# Allegro board STARRYSKY.brd (continued)
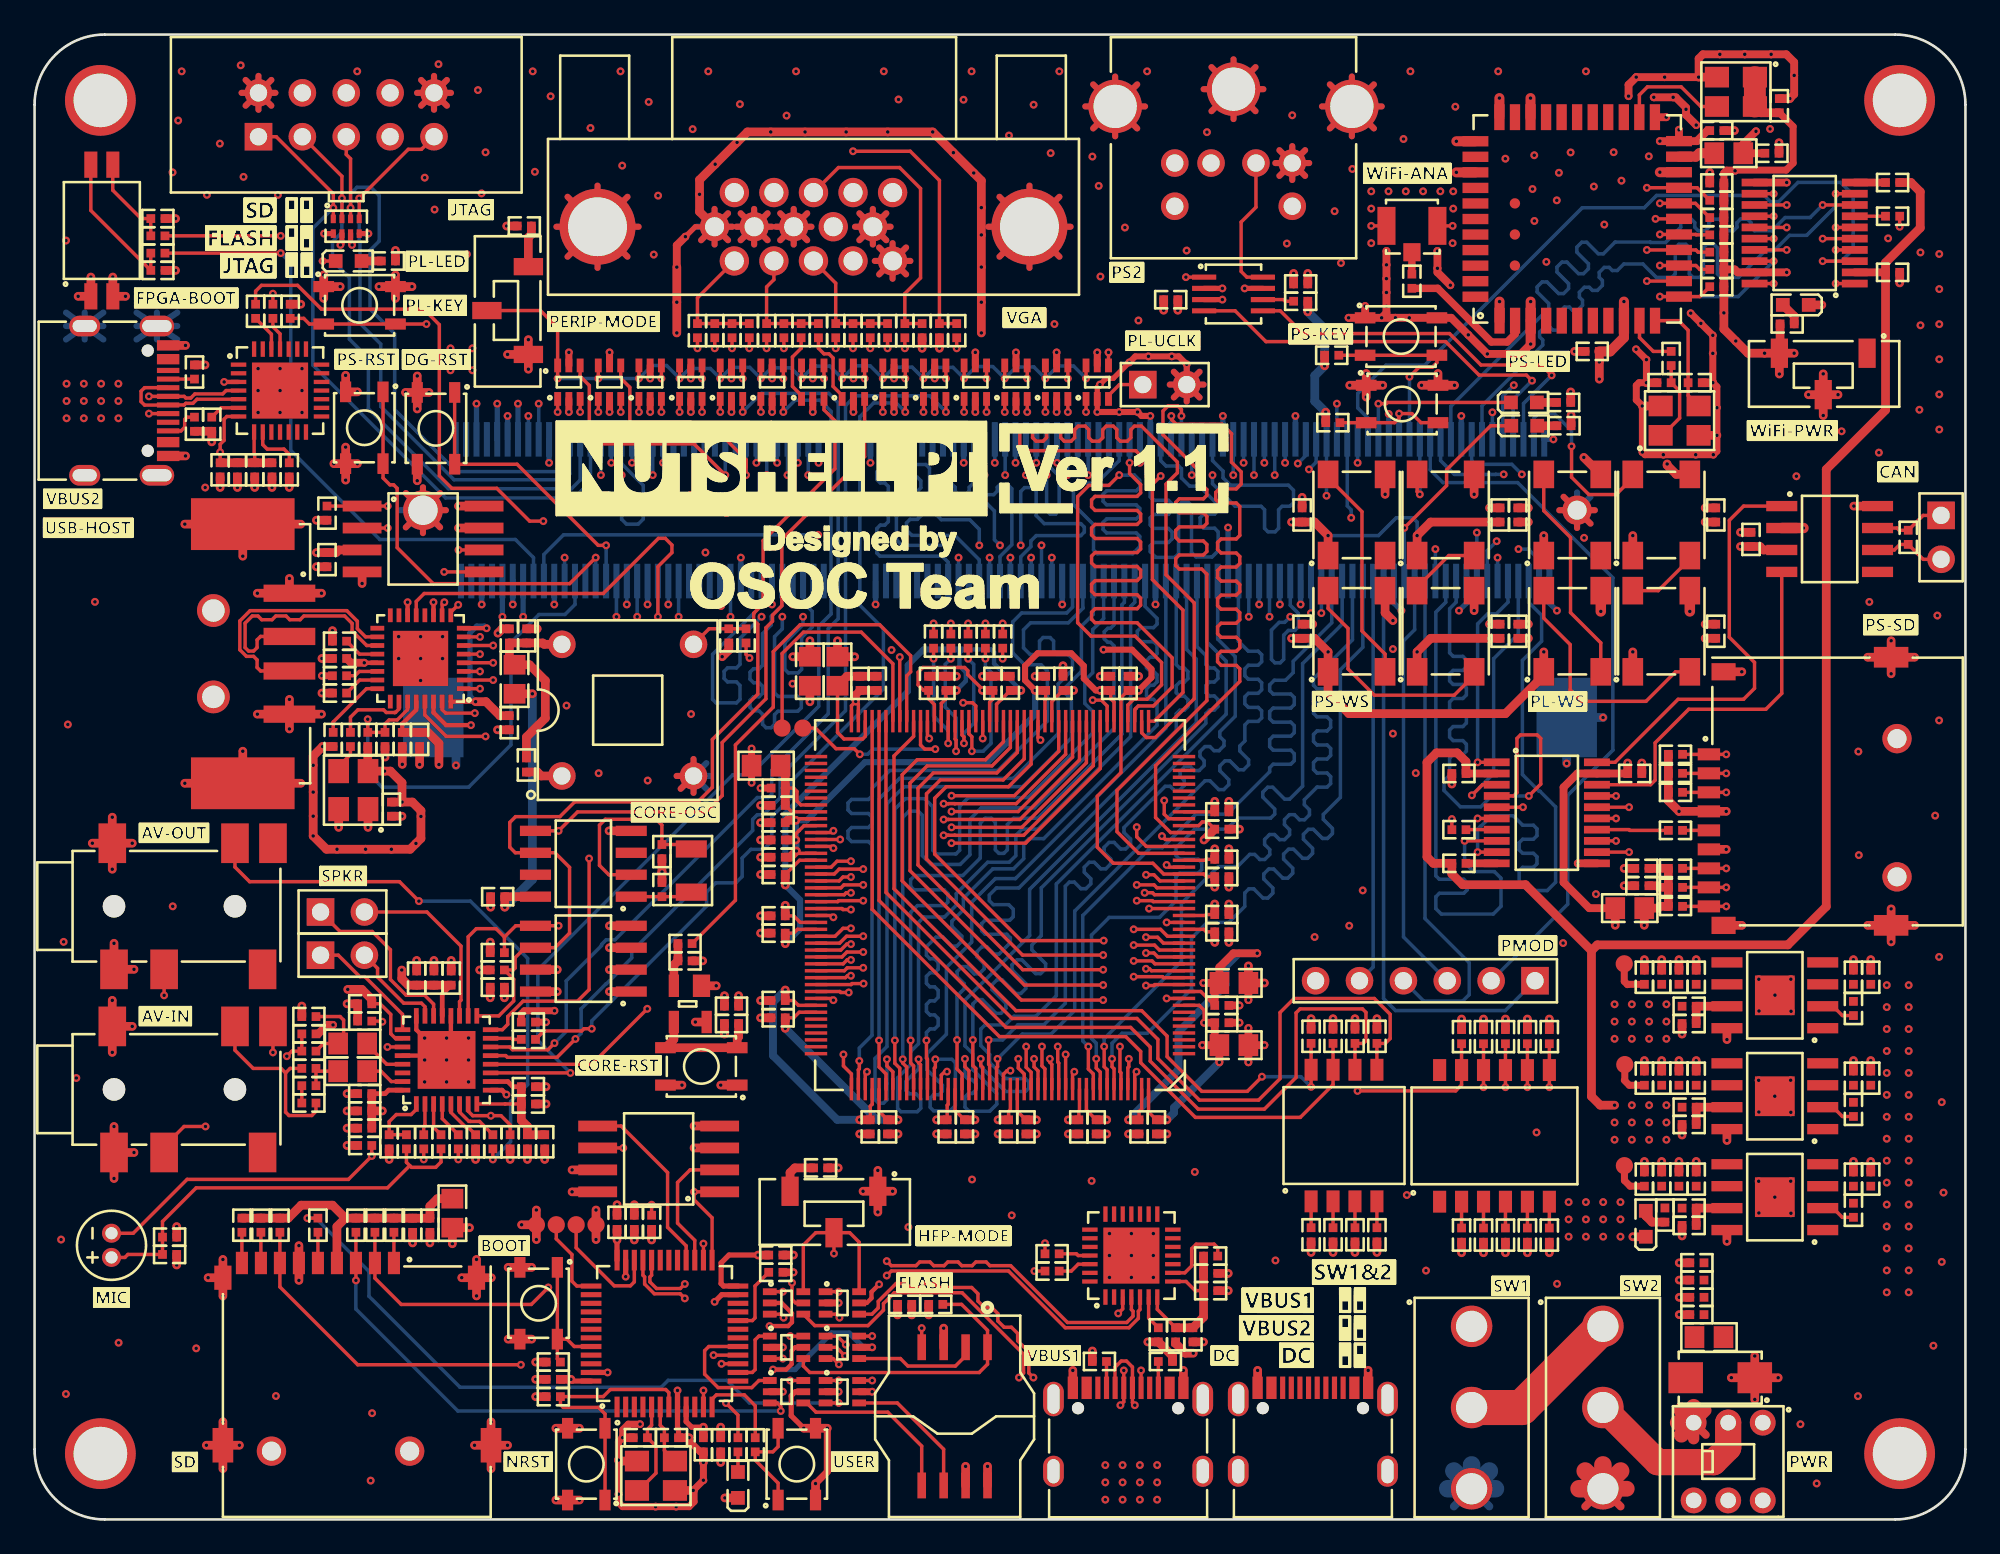
[diagram p0: board, top side]
## Nets (continued)
N431628: C85.1 C86.1 R76.2 R77.2 R84.1 U17.7(REGIN) U17.8(VBUS)
N431648: R84.2 U17.9(R\S\T\)
N431656: R78.1 U17.25(RXD)
N431784: R80.1 U17.26(TXD)
N431936: C88.1 U17.6(VDD)
N433168: C81.1 C82.1 J6.4(VDD) L8.1 R61.1 R62.1 R63.1 R67.1 R69.1 R71.1
N433298: J6.5(CLK) R66.2
N435237: R72.2 U16.10(OE)
N436006: R75.2 U16.7(A6)
N437148: R87.2 U18.24(RBIAS)
N438146: C93.1 U18.20(VDD33)
N441316: R83.1 U18.23(ID)
N441707: R82.1 U18.22(VBUS)
N443308: R81.2 U18.26(REFCLK)
N443312: R81.1 X2.3(OUT)
N449849: C115.1 J14.14 R107.1
N449853: C116.1 J14.13 R110.1
N498562: J1.A5(CC1) R3.2
N498570: J1.B5(CC2) R5.1
N507684: R55.2 SW10.1 SW10.2
N507712: C74.1 U13.6(PD1-OSC_OUT) X1.3(OUT2)
N507720: C72.1 U13.5(PD0-OSC_IN) X1.1(OUT1)
N507990: LED2.1 R58.1
N508938: R58.2 U13.11(PA1)
N520743: R41.2 SW7.3
N533515: J7.2 R65.1 U15.6(CANL)
N533519: J7.1 R65.2 U15.7(CANH)
N535194: R91.2 U19.10(OE)
N535292: R96.2 U19.7(A6)
N539544: C97.2 U20.2(WL_BT_ANT)
N540075: C97.1 J11.1
N541878: C98.1 R99.1 X4.1(OUT1)
N541882: C101.1 U20.11(XTAL_OUT) X4.3(OUT2)
N555405: L9.1 U20.21(VIN_LDO_OUT)
N555409: C107.1 L9.2 U20.23(VIN_LDO)
N555842: U20.24(LPO) X3.3(OUT)
N559792: LED3.1 R85.2
N560183: LED4.1 R86.2
N568477: LED6.2(DOUT) LED7.4(DIN)
N568969: LED8.4(DIN) LED9.2(DOUT)
N569394: LED7.2(DOUT) LED9.4(DIN)
N575792: C113.1 U23.2(OSCO) X5.2(OUT2)
N575796: C111.1 U23.1(OSCI) X5.1(OUT1)
N596135: C132.2 C133.2 C134.2 R127.2 U29.21(SPKVDD2) U29.26(SPKVDD1)
N600861: J17.1 U29.25(SPK_LP)
N600865: J17.2 U29.23(SPK_LN)
N602553: C129.1 U29.3(LINPUT2)
N602557: C130.1 U29.4(LINPUT1)
N602617: C131.1 U29.6(RINPUT2)
N602621: C135.1 U29.5(RINPUT1)
N602759: C123.2 U29.27(VMID)
N603164: C124.2 R124.1 U29.1(MICBIAS)
N603722: C125.2 C129.2 MIC1.1(OUT) R122.2 R124.2
N604056: C130.2 MIC1.2(GND) R125.1
N605478: C137.1 U29.31(HP_L)
N605508: C138.1 U29.29(HP_R)
N605721: C140.2 J18.4 R132.2
N605770: C138.2 R132.1 R133.1
N605987: C139.1 R129.2
N605991: C139.2 J18.5 R130.2
N607551: C137.2 R129.1 R130.1
N608509: C136.1 U29.2(LINPUT3/JD2)
N608513: C136.2 J16.4
N608822: C131.2 J16.5
N609651: R120.2 SW18.3
N615277: R4.2 U1.2(EN)
N624567: R9.2 R10.1 U2.7(ADJ)
N624767: R11.2 U2.2(EN)
N629111: R12.2 R14.1 U4.7(ADJ)
N629261: R13.2 U4.2(EN)
N634293: D1.2 F1.1 SW3.3
N645689: SW2.2 SW3.2
N707098: R99.2 U20.10(XTAL_IN)
N717871: LED11.4(DIN) LED12.2(DOUT)
N717951: LED13.4(DIN) LED14.2(DOUT)
N717983: LED11.2(DOUT) LED14.4(DIN)
N718003: LED10.1 R101.2
N758097: LED5.1 R90.1
N774966: R100.2 U22.6(OE)
N1063390: R15.2 SW4.1(A1)
N1063391: R19.2 SW4.2(A2)
N1063394: R20.2 SW4.3(A3)
N1063395: R22.2 SW4.4(A4)
N1064041: R31.2 SW5.2(A2)
N1064044: R32.2 SW5.3(A3)
N1064045: R35.2 SW5.4(A4)
N6456160: SW1.2 SW2.1
N50833219: R59.1 U13.20(PB2)

Pads without a net: H1 1; H2 1; H3 1; H4 1; J1 5 6 A8 B8; J3 5 6 A5 A6 A7 A8 B5 B6 B7 B8; J4 14 15; J6 14 15; J8 5 6 A8 B8; J9 6 7 8; J10 7 8; J12 6; J13 2 6; J14 4 9 11 12 15; J16 6 7 8 9; J18 6 8 9; J20 7 8 26 43 45 46 47 48 49 50 51 52 70 72 75 76 77 78 79 80 81 82 83 84 85 86 87 89 119; LED8 2; LED13 2; SW3 1 4 5 6; SW5 1 12; SW16 1; U1 1 4 5; U2 1 4 5; U3 1 2 3 4 5 6 7 37 38 39 40 41 42 43 44 89 90 91 92 93 94 95 127 128 129 130 131 132; U4 1 4 5; U8 1 2 10 11 12 13 14 15 16 17 18 19 20 21 22 23 24 27 28; U13 1 2 3 4 10 13 18 19 21 22 29 30 31 38 39 40 41 42 43 45 46; U15 5; U17 1 2 10 11 12 13 14 15 16 17 18 19 20 21 22 23 24 27 28; U18 12 15 16 17 25; U20 4 5 6 7 8 25 26 27 28 29 30 32 35 37 38 39 40 41 42 43 44 45 46 47; U23 3 7; U29 30

## Via types
v1: diameter 0.457, hole 0.203, TOP to BOTTOM, 1348 vias

## Routing (per net, layer and track width the routed paths; a pad name or vN(x,y) marks a point on that pad's centre or on a via; arc(x,y) is an arc through that point)
5V_DC: length 9.9
  TOP w0.457: 89.75,0.75 SW2.3 91.8,0.75
  TOP w0.914: SW2.3 92.16,1.78
  TOP w1.016: SW2.3 91.8,2.8 ; SW2.3 89.4,1.78 ; SW2.3 89.75,2.8 ; SW2.3 90.78,3.16
5V_IN: length 105.1
  TOP w0.305: U22.7 v1(70.04,71.26)
  TOP w0.406: R82.2 v1(16.63,48.84)
  TOP w0.508: v1(72.76,51) C104.1 74.09,51 v1(74.87,50.22) LED9.1 74.87,47.85 76.07,46.65 85.14,46.65 87.35,48.86 LED14.1 v1(87.35,50.22) ; v1(72.76,57.73) C105.1 74.09,57.73 v1(74.87,56.95) LED8.1 ; C103.1 v1(84.21,57.73) 80.81,57.73 v1(80.02,56.95) LED6.1 ; C102.1 v1(84.21,51) 80.81,51 v1(80.02,50.22) LED7.1 ; R77.1 v1(10.74,59.74) ; R43.1 v1(69.09,13.24) ; LED13.1 v1(87.35,56.95) ; J10.1 v1(16.61,53.61) ; J10.1 v1(12.9,53.61) ; J10.1 v1(14.75,54.47) ; C118.1 v1(86.46,51) ; R76.1 v1(11.74,59.74) ; C120.1 v1(86.46,57.73) ; LED11.1 v1(92.51,50.22) ; v1(98.74,56.32) C80.2 99.86,56.32 100.06,56.12 U15.3 ; C117.1 v1(96.7,51) ; LED12.1 v1(92.51,56.95) ; C119.1 v1(96.7,57.73) ; C110.1 v1(72.87,72.13) ; R42.1 v1(69.09,14.24) ; R127.1 v1(24.12,32.36)
  ART03 w0.457: v1(84.21,51) 82.57,51 80.02,53.55 v1(80.02,56.95) 80.02,58.35 79.58,58.79 79.58,65.03 72.87,71.74 v1(72.87,72.13) 70.91,72.13 v1(70.04,71.26) 69.58,70.8 69.58,70.21 69.12,69.76 67.41,69.76 64.49,72.68 64.49,77.01 J13.4
  BOTTOM w0.203: v1(80.02,56.95) 80.02,57.73 79.77,57.98 78.82,57.98 77.79,56.95 v1(74.87,56.95)
  vias: v1(9.88,59.73) v1(24.08,67.79) v1(24.08,66.52) v1(25.35,67.79) v1(25.35,66.52) v1(107.21,30.93) v1(107.21,29.66) v1(107.21,28.39) v1(107.21,27.12) v1(107.21,25.85) v1(107.21,24.58) v1(107.21,23.31) v1(107.21,22.04) v1(107.21,20.77) v1(107.21,19.5) v1(107.21,18.23) v1(107.21,16.96) v1(107.21,15.69) v1(107.21,14.42) v1(107.21,13.15) v1(108.48,30.93) v1(108.48,29.66) v1(108.48,28.39) v1(108.48,27.12) v1(108.48,25.85) v1(108.48,24.58) v1(108.48,23.31) v1(108.48,22.04) v1(108.48,20.77) v1(108.48,19.5) v1(108.48,18.23) v1(108.48,16.96) v1(108.48,15.69) v1(108.48,14.42) v1(108.48,13.15)
5V_VBUS1: length 11.3
  PWR04 w1.016: SW1.1 83.18,9.8 ; SW1.1 82.15,12.2 ; SW1.1 84.2,10.15 ; SW1.1 83.18,12.56 ; SW1.1 82.15,10.15 ; SW1.1 84.2,12.2 ; SW1.1 84.55,11.18 ; SW1.1 81.8,11.18
  vias: v1(61.98,3.15) v1(61.98,2.15) v1(61.98,1.15) v1(62.98,3.15) v1(62.98,2.15) v1(62.98,1.15) v1(63.98,3.15) v1(63.98,2.15) v1(63.98,1.15) v1(64.98,3.15) v1(64.98,2.15) v1(64.98,1.15)
5V_VBUS2: length 9.9
  BOTTOM w0.457: 84.2,0.75 SW1.3 82.15,0.75
  BOTTOM w1.016: SW1.3 81.8,1.78 ; SW1.3 84.55,1.78 ; SW1.3 82.15,2.8 ; SW1.3 83.18,3.16 ; SW1.3 84.2,2.8
  vias: v1(1.85,65.74) v1(1.85,64.74) v1(1.85,63.74) v1(2.85,65.74) v1(2.85,64.74) v1(2.85,63.74) v1(3.85,65.74) v1(3.85,64.74) v1(3.85,63.74) v1(4.85,65.74) v1(4.85,64.74) v1(4.85,63.74)
AGND: length 33.8
  TOP w0.254: U29.24 22.1,28.35 v1(22.58,27.87) ; v1(22.58,26.6) 22.33,26.85 U29.28 ; v1(23.85,27.87) 24.1,28.12 U29.20
  TOP w0.406: R131.2 28.18,29.27 28.35,29.45 v1(30.09,29.45)
  TOP w0.457: v1(17.28,28.63) 16.93,28.63 16.42,28.11 C140.1
  TOP w0.508: J18.2 v1(4.6,22.75) ; J18.2 v1(4.6,19.74) ; J18.2 v1(5.76,21.24) ; R133.2 v1(15.47,29.72) ; C128.2 v1(29.61,25.05) ; C135.2 v1(25.53,20.84) ; J18.3 v1(5.66,28.54) ; J18.3 v1(4.5,30.05) ; J18.3 v1(4.5,27.04) ; J16.3 v1(5.66,39.14) ; J16.3 v1(4.5,37.64) ; J16.3 v1(4.5,40.65) ; J16.3 v1(3.34,39.14) ; C122.2 v1(18.09,23.65) ; C123.1 C133.1 v1(18.09,29.85) ; C121.2 v1(18.09,24.65) ; R122.1 v1(8.23,14.73) ; v1(5.76,31.84) J16.2 v1(4.6,33.35) ; C124.1 v1(20.52,20.84) ; C127.2 v1(28.53,20.84) ; R125.2 v1(18.09,21.65) ; C126.2 v1(29.61,24.05) ; C125.1 v1(8.23,16.95) ; C134.1 v1(22.12,32.36) ; C132.1 v1(23.12,32.36)
  vias: v1(22.58,25.33) v1(23.85,26.6) v1(23.85,25.33) v1(25.12,27.87) v1(25.12,26.6) v1(25.12,25.33)
AVCC_3V3: length 13.6
  TOP w0.279: U29.32 20.49,24.85 20.29,24.65 C121.1
  TOP w0.508: C122.1 v1(20.13,23.65) ; C122.1 C121.1 ; C122.1 R121.1 ; R128.2 v1(27.53,20.84)
  PWR04 w0.203: v1(20.13,23.65) 24.72,23.65 v1(27.53,20.84)
GND: length 1582.1
  TOP w0.203: U3.112 46.13,34.96 v1(46.24,34.86) ; U3.102 46.13,38.96 v1(46.24,38.86) ; v1(63.78,25.92) 63.68,25.81 U3.174 ; J5.4 v1(51.35,11.07) ; U3.69 v1(54.88,45.2) ; v1(46.24,30.06) 46.13,30.16 U3.124 ; v1(60.18,25.92) 60.08,25.81 U3.165 ; U3.9 v1(65.52,30.16) ; v1(46.91,9.47) 46.59,9.79 46.59,9.79 46.42,9.96 U12.2 ; U3.155 56.08,25.77 56.28,25.98 56.47,25.98 56.48,25.98 v1(56.48,25.98) ; v1(46.24,39.86) 46.13,39.76 U3.100 ; v1(48.18,25.92) 48.08,25.81 U3.135 ; U8.3 62.98,12.19 v1(62.72,11.93) ; U3.51 62.08,47.09 61.74,47.43 v1(61.25,47.43) ; U3.35 65.65,40.56 65.38,40.83 v1(65.38,41.62) ; U3.146 52.48,25.72 52.68,25.92 v1(52.81,25.92) ; U3.28 65.65,37.76 v1(65.52,37.89) ; v1(51.78,45.2) 51.68,45.31 U3.77 ; U3.61 58.08,45.26 v1(58.22,45.11) ; J11.2 v1(77.37,74.88) ; J11.3 v1(82.08,74.88) ; U3.101 v1(46.63,39.36) ; U3.20 v1(65.52,34.56)
  TOP w0.254: v1(42.54,11.19) 43.62,11.19 43.84,11.42 43.84,11.93 43.24,12.53 U7.2 ; U17.3 v1(10.97,65.85)
  TOP w0.279: v1(27.31,24.59) 27.06,24.85 U29.9
  TOP w0.305: v1(39.36,12.6) 39.78,13.01 U13.23 ; C74.2 37.27,5.22 37.21,5.28 U13.8 v1(37.21,7.47) ; U13.47 v1(33.17,8.51) ; v1(61.51,64.1) U38.2 61.51,65.54 v1(61.66,65.69) 62.02,66.05 62.44,66.05 v1(63.36,66.98) ; v1(37.67,74.25) 38.25,74.83 J14.6 ; U13.35 v1(34.21,14.05) ; U22.2 v1(68.75,71.26)
  TOP w0.356: 72.8,77.54 J13.3 ; J13.3 73.77,78.52 ; J13.3 72.05,77.77 ; J13.3 73.54,77.77 ; J13.3 72.05,79.26 ; J13.3 71.82,78.52 ; J13.3 73.54,79.26 ; J13.3 72.8,79.49 ; 21.49,59.41 J20.MP3 ; J20.MP3 23.81,58.42 ; J20.MP3 23.47,59.41 ; J20.MP3 22.48,57.09 ; J20.MP3 21.49,57.43 ; J20.MP3 23.47,57.43 ; J20.MP3 22.48,59.75 ; J9.10 24.1,82.58 ; J9.10 22.38,83.32 ; J9.10 23.86,83.32 ; J9.10 22.14,82.58 ; J9.10 23.86,81.84 ; J9.10 22.38,81.84 ; J9.10 23.12,81.6 ; J9.10 23.12,83.56 ; J14.10 49.3,75.61 ; J14.10 47.74,75.61 ; J14.10 47.74,74.05 ; J14.10 49.3,74.05 ; J14.10 49.55,74.83 ; J14.10 48.52,73.8 ; J14.10 47.49,74.83 ; J14.10 48.52,75.86 ; 57.59,72.45 J14.16 ; J14.16 59.32,76.56 ; J14.16 57.59,77.21 ; J14.16 55.85,76.56 ; J14.16 55.85,73.1 ; J14.16 59.32,73.1 ; J14.16 59.96,74.83 ; J14.16 55.21,74.83 ; J15.2 v1(66.69,66.87) 66.23,67.32 v1(65.82,67.32) v1(64.47,67.32) 63.71,67.32 v1(63.36,66.98) ; J15.2 65.94,64.95 ; J15.2 67.43,64.95 ; J15.2 65.71,65.69 ; J15.2 67.66,65.69 ; J15.2 65.94,66.43 ; J15.2 67.43,66.43 ; J15.2 66.69,64.71 ; J14.8 44.72,74.05 ; J14.8 42.91,74.83 ; J14.8 44.97,74.83 ; J14.8 43.94,75.86 ; J14.8 43.16,74.05 ; J14.8 43.94,73.8 ; J14.8 44.72,75.61 ; J14.8 43.16,75.61 ; J13.9 63.82,80.52 ; J13.9 61.27,83.07 ; J13.9 62.55,80.07 ; J13.9 64.27,81.79 ; J13.9 61.27,80.52 ; J13.9 62.55,83.52 ; J13.9 60.82,81.79 ; J13.9 63.82,83.07 ; J14.7 42.43,74.05 ; J14.7 40.62,74.83 ; J14.7 42.43,75.61 ; J14.7 40.87,74.05 ; J14.7 42.68,74.83 ; J14.7 40.87,75.61 ; J14.7 41.65,73.8 ; J14.7 41.65,75.86 ; 30.21,74.83 J14.17 ; J14.17 30.85,73.1 ; J14.17 34.96,74.83 ; J14.17 34.32,76.56 ; J14.17 34.32,73.1 ; J14.17 32.58,77.21 ; J14.17 32.58,72.45 ; J14.17 30.85,76.56 ; J13.8 77.97,81.79 ; J13.8 76.25,83.52 ; J13.8 77.52,83.07 ; J13.8 76.25,80.07 ; J13.8 74.97,83.07 ; J13.8 74.52,81.79 ; J13.8 74.97,80.52 ; J13.8 77.52,80.52 ; 37.4,42.29 J2.4 ; J2.4 38.14,44.02 ; J2.4 37.16,43.04 ; J2.4 38.14,42.06 ; 49.66,71.82 J14.5 ; J14.5 50.69,72.85 ; J14.5 48.64,72.85 ; J14.5 50.44,72.07 ; J14.5 48.89,73.63 ; J14.5 50.44,73.63 ; J14.5 48.89,72.07 ; J14.5 49.66,73.88 ; 39.36,73.8 J14.6 ; J14.6 40.39,74.83 ; J14.6 40.14,74.05 ; J14.6 40.14,75.61 ; J14.6 39.36,75.86 ; J14.6 38.58,74.05 ; J9.2 12.96,83.56 ; J9.2 12.96,81.6 ; J9.2 13.7,83.32 ; J9.2 12.22,81.84 ; J9.2 11.98,82.58 ; J9.2 13.94,82.58 ; J9.2 12.22,83.32 ; J9.2 13.7,81.84 ; J20.MP4 90.06,57.64 ; J20.MP4 88.25,58.42 ; J20.MP4 89.28,57.39 ; J20.MP4 90.31,58.42 ; J20.MP4 88.5,59.2 ; 69.4,81.06 J13.7 ; J13.7 67.67,82.79 ; J13.7 71.12,82.79 ; J13.7 70.67,81.52 ; J13.7 70.67,84.07 ; J13.7 68.12,81.52 ; J13.7 69.4,84.52 ; J13.7 68.12,84.07 ; v1(61.51,64.1) v1(62.78,64.1) v1(63.84,64.1) 64.07,63.88 v1(64.58,63.88)
  TOP w0.406: U26.2 v1(52.1,64.1) ; U25.2 v1(49.75,64.1) ; U36.2 v1(35.63,64.1) ; v1(37.88,4.73) 37.88,4.55 38.53,3.91 C76.2 ; U27.2 v1(54.45,64.1) ; U11.2 v1(43.31,7.39) ; U6.2 v1(46.54,12.53) ; U10.2 v1(46.54,7.39) ; U32.2 v1(45.04,64.1) ; U39.2 v1(59.16,64.1) ; U9.2 v1(43.31,9.96) ; U30.2 v1(40.34,64.1) ; U37.2 v1(37.98,64.1) ; U33.2 v1(47.39,64.1) ; v1(35.05,5.52) 34.37,5.52 34.04,5.19 v1(34.04,4.73) 33.79,4.48 v1(33.79,3.43) v1(33.79,1.46) 33.79,0.99 34.04,0.74 v1(35.95,0.74) v1(37.14,0.74) 37.89,0.74 38.17,1.03 38.17,1.63 v1(38.12,1.68) v1(38.71,2.27) v1(38.71,3.3) ; U34.2 v1(30.93,64.1) ; v1(92.69,67.74) v1(93.3,67.13) v1(93.3,65.8) 92.87,65.8 92.71,65.64 92.71,64.81 v1(93.06,64.45) v1(93.06,61.78) 93.21,61.63 v1(94.28,61.63) v1(96.15,61.63) v1(97.17,61.63) 97.37,61.84 v1(97.37,62.75) v1(97.37,64.35) 97.37,65.57 v1(97.14,65.8) v1(97.14,67.5) v1(97.14,68.54) v1(96.45,69.23) v1(95.86,69.82) ; U31.2 v1(42.69,64.1) ; U35.2 v1(33.28,64.1) ; U28.2 v1(56.8,64.1) ; v1(29.61,28.79) R131.1 ; C61.2 v1(42.02,42.33)
  TOP w0.457: v1(86.59,68.04) 86.02,67.47 v1(84.09,67.47) v1(82.98,68.57) 82,69.56 SW15.2 v1(79.57,69.56) v1(78.77,69.56) v1(77.97,69.56) ; U19.11 v1(101.41,77.39) ; v1(78.25,73.42) v1(78.25,72.62) v1(78.25,71.82) v1(78.25,71.02) v1(78.25,70.22) 78.25,69.84 v1(77.97,69.56) ; v1(77.97,69.56) SW15.1 ; v1(96.18,80.71) 95.59,81.31 v1(95.59,81.63) 95.59,81.73 94.99,82.32 v1(94.84,82.32) v1(93.72,82.32) ; SW15.1 v1(77.01,70.24) ; SW15.1 v1(76.06,69.56) ; C34.2 v1(69.74,28.75) ; v1(37.17,72.49) 37.17,73.76 v1(37.67,74.25) ; v1(81.2,73.42) v1(81.2,72.42) 81.2,72.19 v1(81.94,71.44) ; v1(92.26,82.39) 92.26,83.04 v1(92.71,83.49) v1(94.35,83.49) v1(96.32,83.49) 96.32,84.56 96.57,84.81 v1(97.54,84.81) v1(98.99,84.81) v1(100.51,84.81) 101.39,84.81 101.85,84.35 v1(101.85,83.59) 101.85,82.49 v1(101.6,82.25) ; R59.2 v1(43.92,14.3) ; U16.11 v1(89.32,37.98) ; C58.2 v1(69.74,29.75)
  TOP w0.508: R87.1 v1(16.67,44.74) 16.13,44.19 v1(16.13,43.65) v1(16.13,42.1) v1(16.13,40.71) v1(16.13,39.56) 16.9,38.79 v1(17.51,38.79) v1(19.16,38.79) v1(20.65,38.79) 21.74,38.79 v1(22.08,39.13) 22.36,39.42 v1(22.36,40.69) 22.36,41.03 21.87,41.53 v1(21.27,41.53) ; C13.2 v1(106.28,26.56) ; R74.2 C88.2 v1(10.26,62.38) ; J10.5 v1(8.7,57.61) ; J10.5 v1(12.05,55.76) ; J10.5 v1(15.41,57.61) ; C85.2 v1(12.74,59.74) ; J6.13 v1(107.46,48.95) ; J6.13 v1(108.82,49.91) ; J6.13 v1(106.1,49.91) ; J6.13 v1(107.46,50.86) ; C30.2 v1(62.06,22.31) ; LED13.3 v1(89.67,61.48) ; U21.7 v1(30.26,31.83) ; R21.2 v1(76.43,28.99) ; U21.3 v1(33.28,33.1) ; C10.2 v1(93.18,26.56) ; C78.2 v1(34.71,18.22) ; J10.4 v1(12.9,46.61) ; J10.4 v1(16.61,46.61) ; J10.4 v1(14.75,45.76) ; J10.4 v1(14.75,47.47) ; C41.2 v1(55.77,22.31) ; C2.2 v1(94.18,20.72) ; C87.1 19.28,43.33 X2.2 v1(20.26,43.32) 20.6,43.32 21.27,42.65 v1(21.27,41.53) ; C54.2 v1(42.02,37.33) ; v1(64.43,10.28) C67.2 65.86,9.46 R5.2 ; C15.2 v1(105.28,26.56) ; C50.2 v1(59.83,22.31) ; X4.2 v1(97.37,62.75) ; SW7.1 v1(48.81,17.79) ; SW7.1 v1(48.81,20.2) ; SW7.1 v1(47.95,19) ; SW7.1 v1(49.67,19) ; J4.13 v1(25.47,4.29) ; J4.13 v1(27.38,4.29) ; J4.13 v1(26.42,5.65) ; J4.13 v1(26.42,2.94) ; C91.2 v1(22.29,43.7) ; C98.2 v1(93.3,65.8) ; LED8.3 v1(78.17,59.34) ; SW11.3 v1(22.15,64.28) ; SW11.3 v1(22.83,65.24) ; SW11.3 v1(21.47,65.24) ; SW11.3 v1(22.15,66.19) ; SW17.1 v1(16.74,72.04) ; SW17.1 v1(16.74,70.68) ; SW17.1 v1(17.69,71.36) ; C36.2 v1(69.13,33.4) ; C107.2 v1(100.97,79.69) ; C100.2 v1(101.6,82.25) ; C92.2 v1(26.8,45.71) ; C22.2 v1(95.2,11.86) ; C90.2 v1(21.29,43.71) ; C66.2 66.05,10.19 66.61,9.62 v1(67.07,9.62) ; C68.2 v1(21.88,16.01) ; C79.1 v1(43.92,15.31) ; X1.4 33.87,3.38 33.81,3.43 v1(33.79,3.43) ; C1.2 v1(93.18,20.72) ; SW17.2 v1(20.89,70.68) ; SW17.2 v1(19.93,71.36) ; SW17.2 v1(21.85,71.36) ; SW17.2 v1(20.89,72.04) ; LED12.3 95.02,60.49 94.49,61.02 v1(94.49,61.1) ; TP9.1 v1(28.19,17.06) ; TP9.1 v1(29.05,17.91) ; TP9.1 v1(29.05,16.2) ; C16.2 v1(94.18,32.41) ; U23.4 v1(33.25,39.86) ; J4.10 v1(10.9,12.94) ; J4.10 v1(10.9,15.05) ; J4.10 v1(10.05,13.99) ; C6.2 v1(106.28,20.72) ; J8.B1A12 v1(8.74,61.56) ; R83.2 v1(16.63,47.84) ; X1.2 v1(38.12,1.68) ; J1.A1B12 v1(60.1,8.62) ; v1(31.53,1.12) SW8.4 v1(30.17,1.12) ; R23.2 v1(77.7,28.99) ; v1(44.88,50.86) L5.2 v1(43.89,49.94) ; v1(5.26,70.8) SW12.2 v1(4.53,71.92) ; C86.2 v1(13.74,59.74) ; LED2.2 v1(39.96,1.25) ; C19.2 v1(105.28,32.41) ; U21.4 v1(33.28,34.37) ; v1(54.8,68.68) v1(54.8,70.46) v1(54.8,72.49) v1(54.8,74.35) v1(54.8,75.94) 54.8,77.5 v1(54.36,77.94) v1(53.18,79.12) v1(51.98,80.32) v1(49.38,80.32) v1(46.97,80.32) v1(44.6,80.32) v1(42.61,80.32) 41.26,80.32 v1(40.66,79.72) v1(39.39,78.45) 38.49,77.54 v1(38.49,76.7) 38.49,75.7 J14.6 ; C112.2 v1(26.4,35.44) ; v1(37.17,68.68) v1(37.17,70.46) v1(37.17,72.49) ; C47.2 v1(42.02,38.33) ; v1(21.27,41.53) C89.2 ; v1(15.3,15.85) J4.6 v1(15.3,13.84) ; U21.2 v1(33.28,31.83) ; C80.1 v1(98.74,57.14) ; C83.1 v1(82.03,42.57) ; X3.2 v1(96.32,83.49) ; C84.2 v1(93.03,43.79) ; LED5.2 v1(103.45,70.3) ; D1.1 v1(100.92,8.2) ; D1.1 v1(99.57,6.95) ; D1.1 v1(98.21,8.2) ; D1.1 v1(99.57,9.46) ; C109.1 v1(65.35,70) ; J4.12 v1(11.86,4.29) ; J4.12 v1(9.95,4.29) ; J4.12 v1(10.9,2.94) ; J4.12 v1(10.9,5.65) ; v1(78.62,52.03) 78.17,52.48 LED9.3 ; C96.2 v1(96.96,77.97) ; R36.2 v1(85.14,28.97) ; C28.2 v1(69.74,39.96) ; U4.8 v1(97.96,27.78) ; C118.2 v1(86.46,51.82) ; C75.1 v1(39.71,3.3) ; SW14.1 v1(77.08,64.97) ; SW14.1 v1(78.03,65.65) ; SW14.1 v1(77.08,66.33) ; SW14.1 v1(76.12,65.65) ; C20.2 v1(106.28,32.41) ; C65.2 v1(67.66,10.28) ; U2.8 v1(97.96,21.94) ; C82.2 v1(92.01,36.69) ; J6.12 v1(108.82,34.39) ; J6.12 v1(107.46,33.43) ; J6.12 v1(106.1,34.39) ; J6.12 v1(107.46,35.34) ; C24.2 v1(95.2,14.86) ; SW13.4 v1(17.32,61.12) ; SW13.4 v1(18,60.16) ; SW13.4 v1(18,62.07) ; SW13.4 v1(18.69,61.12) ; R14.2 v1(95.36,28.09) ; C39.2 v1(42.02,40.33) ; C120.2 v1(86.46,58.55) ; C49.2 v1(42.02,30.04) ; C108.2 v1(26.37,30.2) ; C51.2 v1(42.02,29.04) ; SW18.1 v1(27.38,67.44) ; SW18.1 v1(28.58,68.29) ; SW18.1 v1(28.58,66.58) ; R7.2 v1(95.36,16.41) ; v1(18,66.23) SW13.3 v1(18.69,65.27) ; J10.6 v1(12.05,44.47) ; J10.6 v1(15.41,42.61) ; J10.6 v1(8.7,42.61) ; R17.2 v1(75.16,28.99) ; C38.2 v1(40.75,30.32) ; LED6.3 v1(83.32,59.34) ; v1(54.86,48.81) C55.2 C26.2 ; C76.2 v1(38.71,3.3) ; R40.2 v1(87.68,28.97) ; v1(31.53,5.28) SW8.3 v1(30.17,5.28) ; C113.2 36.31,37.48 v1(36.32,37.48) C111.2 ; C104.2 v1(73.98,51.82) ; R54.2 v1(29.01,9.11) ; v1(26.82,51.3) 27.07,51.55 C8.2 ; C103.2 v1(84.21,58.55) ; J4.11 v1(26.44,13.99) ; J4.11 v1(25.58,15.05) ; J4.11 v1(24.73,13.99) ; J4.11 v1(25.58,12.94) ; J3.A1B12 v1(70.79,8.63) ; C95.1 v1(107.95,71.58) ; C25.2 v1(95.2,13.86) ; C56.2 v1(57.91,48.81) ; C35.2 v1(54.43,22.31) ; C46.2 v1(69.13,41.57) ; U21.1 v1(33.28,30.56) ; SW14.2 v1(82.19,65.65) ; SW14.2 v1(81.23,66.33) ; SW14.2 v1(80.28,65.65) ; C18.2 v1(96.18,32.41) ; J8.A1B12 v1(8.74,67.96) ; R3.1 v1(61.23,9.75) ; C114.2 v1(16.32,55.15) ; v1(2.52,70.8) SW12.1 v1(3.26,71.92) ; C119.2 v1(96.7,58.55) ; C44.2 v1(47.76,22.31) ; C27.2 v1(63.9,48.81) ; U24.4 v1(18.96,54.18) ; C74.2 v1(37.88,4.73) ; C14.2 v1(94.18,26.56) ; v1(53.36,48.81) C31.2 C59.2 ; R34.2 v1(83.87,28.97) ; R38.2 v1(86.41,28.97) ; C93.2 v1(17.24,51.45) ; C62.2 v1(42.02,41.33) ; v1(39.8,49.94) 40.18,50.32 C7.2 ; C115.2 v1(52.37,67.79) ; C42.2 v1(52.21,22.31) ; C73.1 v1(33.71,18.22) ; U1.8 v1(97.96,16.1) ; C101.2 v1(97.14,65.8) ; C17.2 v1(93.18,32.41) ; C69.2 v1(22.88,16.01) ; R33.2 v1(82.6,28.97) ; C99.2 v1(89.14,67.61) ; SW6.2 v1(37.47,25.14) ; C102.2 v1(84.21,51.82) ; C45.2 v1(69.13,38.82) ; C94.2 v1(16.63,49.84) ; C43.2 v1(42.02,39.33) ; C48.2 v1(63.32,22.31) ; C117.2 v1(96.7,51.82) ; J6.11 v1(98.82,49.07) ; C106.2 v1(98.39,80.39) ; C21.2 v1(95.18,32.41) ; U5.1 v1(39.46,30.89) ; C40.2 v1(69.13,35.63) ; C32.2 v1(42.02,33.94) ; C116.2 v1(51.37,67.79) ; C3.2 v1(96.18,20.72) ; C9.2 v1(29.09,51.55) ; C33.2 v1(49.98,22.31) ; J1.B1A12 v1(66.49,8.62) ; LED7.3 v1(83.32,52.61) ; C57.2 v1(61.68,48.81) ; C71.2 v1(29.01,7.11) ; J3.B1A12 v1(77.19,8.63) ; C60.2 v1(42.02,34.94) ; SW11.4 v1(22.15,60.13) ; C5.2 v1(105.28,20.72) ; C37.2 v1(59.52,49.42) ; C4.2 v1(95.18,20.72) ; C81.2 v1(92.01,37.69) ; C72.2 v1(34.04,4.73) ; J6.10 v1(98.82,34.39) ; C77.2 v1(50.77,11.84) ; R10.2 v1(95.36,22.25) ; J6.6 v1(97.92,38.79) ; LED1.2 v1(92.51,16.36) ; SW6.1 v1(39.72,25.14) ; R73.1 v1(9.87,66.83) ; C11.2 v1(96.18,26.56) ; C110.2 v1(73.69,72.13) ; U14.4 v1(38.17,22.77) ; X4.4 v1(93.06,64.45) ; C23.2 v1(95.2,12.86) ; C53.2 v1(69.13,36.6) ; C52.2 v1(57.99,22.31) ; C29.2 v1(65.54,22.31) ; C12.2 v1(95.18,26.56) ; C70.1 v1(29.01,8.11) ; C105.2 v1(73.37,59.17) ; U15.8 v1(105.3,58.66) ; R16.2 v1(73.89,28.99)
  TOP w0.584: U20.36 v1(82.29,77.98) ; U20.1 v1(84.79,70.5) ; v1(86.59,70.5) U20.3 v1(86.59,68.04) ; U20.33 v1(84.79,82.28) ; U20.34 v1(82.29,79.78) ; U20.31 v1(86.59,82.28) ; U20.20 v1(94.07,77.98)
  TOP w0.61: U15.2 v1(102.38,57.39) ; LED11.3 v1(95.81,52.56) ; LED14.3 v1(90.65,52.56)
  GND02 w0.356: 77.53,5.79 J3.2 ; J3.2 78.31,8.15 ; J3.2 78.31,5.79 ; J3.2 79.09,8.15 ; J3.2 77.53,6.97 ; J3.2 79.09,6.97 ; J3.2 77.53,8.15 ; J3.2 79.09,5.79 ; J15.2 66.69,66.67 ; J15.2 65.94,66.43 ; J15.2 67.43,64.95 ; J15.2 67.66,65.69 ; J15.2 66.69,64.71 ; J15.2 65.94,64.95 ; J15.2 67.43,66.43 ; J15.2 65.71,65.69 ; J1.4 68.39,3.87 ; J1.4 66.84,1.71 ; J1.4 66.84,2.79 ; J1.4 67.62,1.71 ; J1.4 68.39,2.79 ; J1.4 66.84,3.87 ; J1.4 68.39,1.71 ; J1.4 67.62,3.87 ; 68.89,1.71 J3.3 ; J3.3 68.89,2.79 ; J3.3 68.89,3.87 ; J3.3 70.45,1.71 ; J3.3 69.67,1.71 ; J3.3 70.45,3.87 ; J3.3 70.45,2.79 ; J3.3 69.67,3.87 ; J13.3 73.77,78.52 ; J13.3 71.82,78.52 ; J13.3 72.05,79.26 ; J13.3 72.05,77.77 ; J13.3 72.8,79.49 ; J13.3 73.54,79.26 ; J13.3 73.54,77.77 ; J13.3 72.8,77.54 ; J14.6 40.39,74.83 ; J14.6 40.14,75.61 ; J14.6 38.33,74.83 ; J14.6 39.36,75.86 ; J14.6 38.58,74.05 ; J14.6 39.36,73.8 ; J14.6 40.14,74.05 ; J14.6 38.58,75.61 ; J3.1 70.45,5.79 ; J3.1 69.67,8.15 ; J3.1 68.89,8.15 ; J3.1 69.67,5.79 ; J3.1 70.45,6.97 ; J3.1 70.45,8.15 ; J3.1 68.89,6.97 ; J3.1 68.89,5.79 ; J13.7 69.4,84.52 ; J13.7 70.67,84.07 ; J13.7 67.67,82.79 ; J13.7 68.12,84.07 ; J13.7 69.4,81.06 ; J13.7 70.67,81.52 ; J13.7 68.12,81.52 ; J13.7 71.12,82.79 ; J13.8 76.25,83.52 ; J13.8 77.52,83.07 ; J13.8 74.97,83.07 ; J13.8 76.25,80.07 ; J13.8 74.52,81.79 ; J13.8 77.52,80.52 ; J13.8 77.97,81.79 ; J13.8 74.97,80.52 ; 22.14,82.58 J9.10 ; J9.10 23.86,83.32 ; J9.10 22.38,81.84 ; J9.10 23.86,81.84 ; J9.10 23.12,81.6 ; J9.10 22.38,83.32 ; J9.10 23.12,83.56 ; J9.10 24.1,82.58 ; J14.7 42.68,74.83 ; J14.7 41.65,73.8 ; J14.7 42.43,75.61 ; J14.7 40.62,74.83 ; J14.7 40.87,75.61 ; J14.7 42.43,74.05 ; J14.7 40.87,74.05 ; J14.7 41.65,75.86 ; J1.1 59.75,6.97 ; J1.1 59.75,5.79 ; J1.1 58.2,6.97 ; J1.1 59.75,8.15 ; J1.1 58.97,5.79 ; J1.1 58.97,8.15 ; J1.1 58.2,5.79 ; J8.4 3.98,59.66 ; J8.4 3.98,61.22 ; J8.4 1.82,59.66 ; J8.4 3.98,60.44 ; J8.4 2.9,59.66 ; J8.4 1.82,60.44 ; J8.4 2.9,61.22 ; J8.4 1.82,61.22 ; J14.5 50.69,72.85 ; J14.5 49.66,73.88 ; J14.5 48.89,72.07 ; J14.5 48.89,73.63 ; J14.5 48.64,72.85 ; J14.5 50.44,72.07 ; J14.5 49.66,71.82 ; J14.5 50.44,73.63 ; 88.5,57.64 J20.MP4 ; J20.MP4 90.06,59.2 ; J20.MP4 88.5,59.2 ; J20.MP4 89.28,59.45 ; J20.MP4 90.06,57.64 ; J20.MP4 90.31,58.42 ; J20.MP4 89.28,57.39 ; J20.MP4 88.25,58.42 ; J20.MP3 23.81,58.42 ; J20.MP3 21.49,59.41 ; J20.MP3 23.47,57.43 ; J20.MP3 21.15,58.42 ; J20.MP3 23.47,59.41 ; J20.MP3 21.49,57.43 ; J20.MP3 22.48,57.09 ; J20.MP3 22.48,59.75 ; J14.8 44.72,75.61 ; J14.8 44.97,74.83 ; J14.8 42.91,74.83 ; J14.8 44.72,74.05 ; J14.8 43.94,73.8 ; J14.8 43.94,75.86 ; J14.8 43.16,74.05 ; J14.8 43.16,75.61 ; J8.2 8.26,60.44 ; J8.2 5.9,60.44 ; J8.2 5.9,59.66 ; J8.2 7.08,61.22 ; J8.2 8.26,59.66 ; J8.2 7.08,59.66 ; J8.2 8.26,61.22 ; J8.2 5.9,61.22 ; 55.85,76.56 J14.16 ; J14.16 57.59,77.21 ; J14.16 55.85,73.1 ; J14.16 55.21,74.83 ; J14.16 59.96,74.83 ; J14.16 59.32,76.56 ; J14.16 59.32,73.1 ; J14.16 57.59,72.45 ; J1.3 59.75,2.79 ; J1.3 59.75,1.71 ; J1.3 58.97,3.87 ; J1.3 58.97,1.71 ; J1.3 58.2,3.87 ; J1.3 59.75,3.87 ; J1.3 58.2,2.79 ; J1.3 58.2,1.71 ; J3.4 79.09,2.79 ; J3.4 77.53,3.87 ; J3.4 79.09,3.87 ; J3.4 78.31,3.87 ; J3.4 77.53,2.79 ; J3.4 79.09,1.71 ; J3.4 77.53,1.71 ; J3.4 78.31,1.71 ; J2.4 38.14,44.02 ; J2.4 38.88,42.29 ; J2.4 38.88,43.78 ; J2.4 38.14,42.06 ; J2.4 37.4,42.29 ; J2.4 37.16,43.04 ; J2.4 39.12,43.04 ; 30.85,76.56 J14.17 ; J14.17 30.21,74.83 ; J14.17 30.85,73.1 ; J14.17 32.58,77.21 ; J14.17 34.32,76.56 ; J14.17 34.32,73.1 ; J14.17 32.58,72.45 ; J14.17 34.96,74.83 ; 12.22,83.32 J9.2 ; J9.2 12.96,83.56 ; J9.2 13.7,81.84 ; J9.2 12.96,81.6 ; J9.2 12.22,81.84 ; J9.2 13.94,82.58 ; J9.2 13.7,83.32 ; J9.2 11.98,82.58 ; J13.9 63.82,80.52 ; J13.9 61.27,80.52 ; J13.9 60.82,81.79 ; J13.9 62.55,83.52 ; J13.9 61.27,83.07 ; J13.9 62.55,80.07 ; J13.9 63.82,83.07 ; J13.9 64.27,81.79 ; J8.3 3.98,69.08 ; J8.3 3.98,68.3 ; J8.3 2.9,69.86 ; J8.3 2.9,68.3 ; J8.3 1.82,69.86 ; J8.3 3.98,69.86 ; J8.3 1.82,68.3 ; J8.3 1.82,69.08 ; J1.2 68.39,6.97 ; J1.2 66.84,8.15 ; J1.2 67.62,5.79 ; J1.2 68.39,8.15 ; J1.2 66.84,5.79 ; J1.2 67.62,8.15 ; J1.2 66.84,6.97 ; J1.2 68.39,5.79 ; J8.1 8.26,69.08 ; J8.1 5.9,69.86 ; J8.1 7.08,68.3 ; J8.1 8.26,68.3 ; J8.1 8.26,69.86 ; J8.1 7.08,69.86 ; J8.1 5.9,68.3 ; J8.1 5.9,69.08 ; J14.10 48.52,75.86 ; J14.10 49.3,74.05 ; J14.10 47.74,74.05 ; J14.10 49.55,74.83 ; J14.10 47.49,74.83 ; J14.10 48.52,73.8 ; J14.10 47.74,75.61 ; J14.10 49.3,75.61
  ART03 w0.406: v1(101.41,77.39) 105.65,77.39 107.28,75.76 v1(107.28,74.16) 107.28,72.25 v1(107.95,71.58) 107.95,66.35 v1(104.59,62.99) v1(98.74,57.14) 97.82,56.22 90.29,56.22 v1(89.69,56.82) ; v1(83.32,52.61) 85.39,54.67 99.67,54.67 v1(102.38,57.39) v1(106.75,61.75) 109.16,64.16 v1(109.16,69.13) v1(109.16,73.34)